# Altium PCB 一体板.PcbDoc (part 1 of 3) (continued)
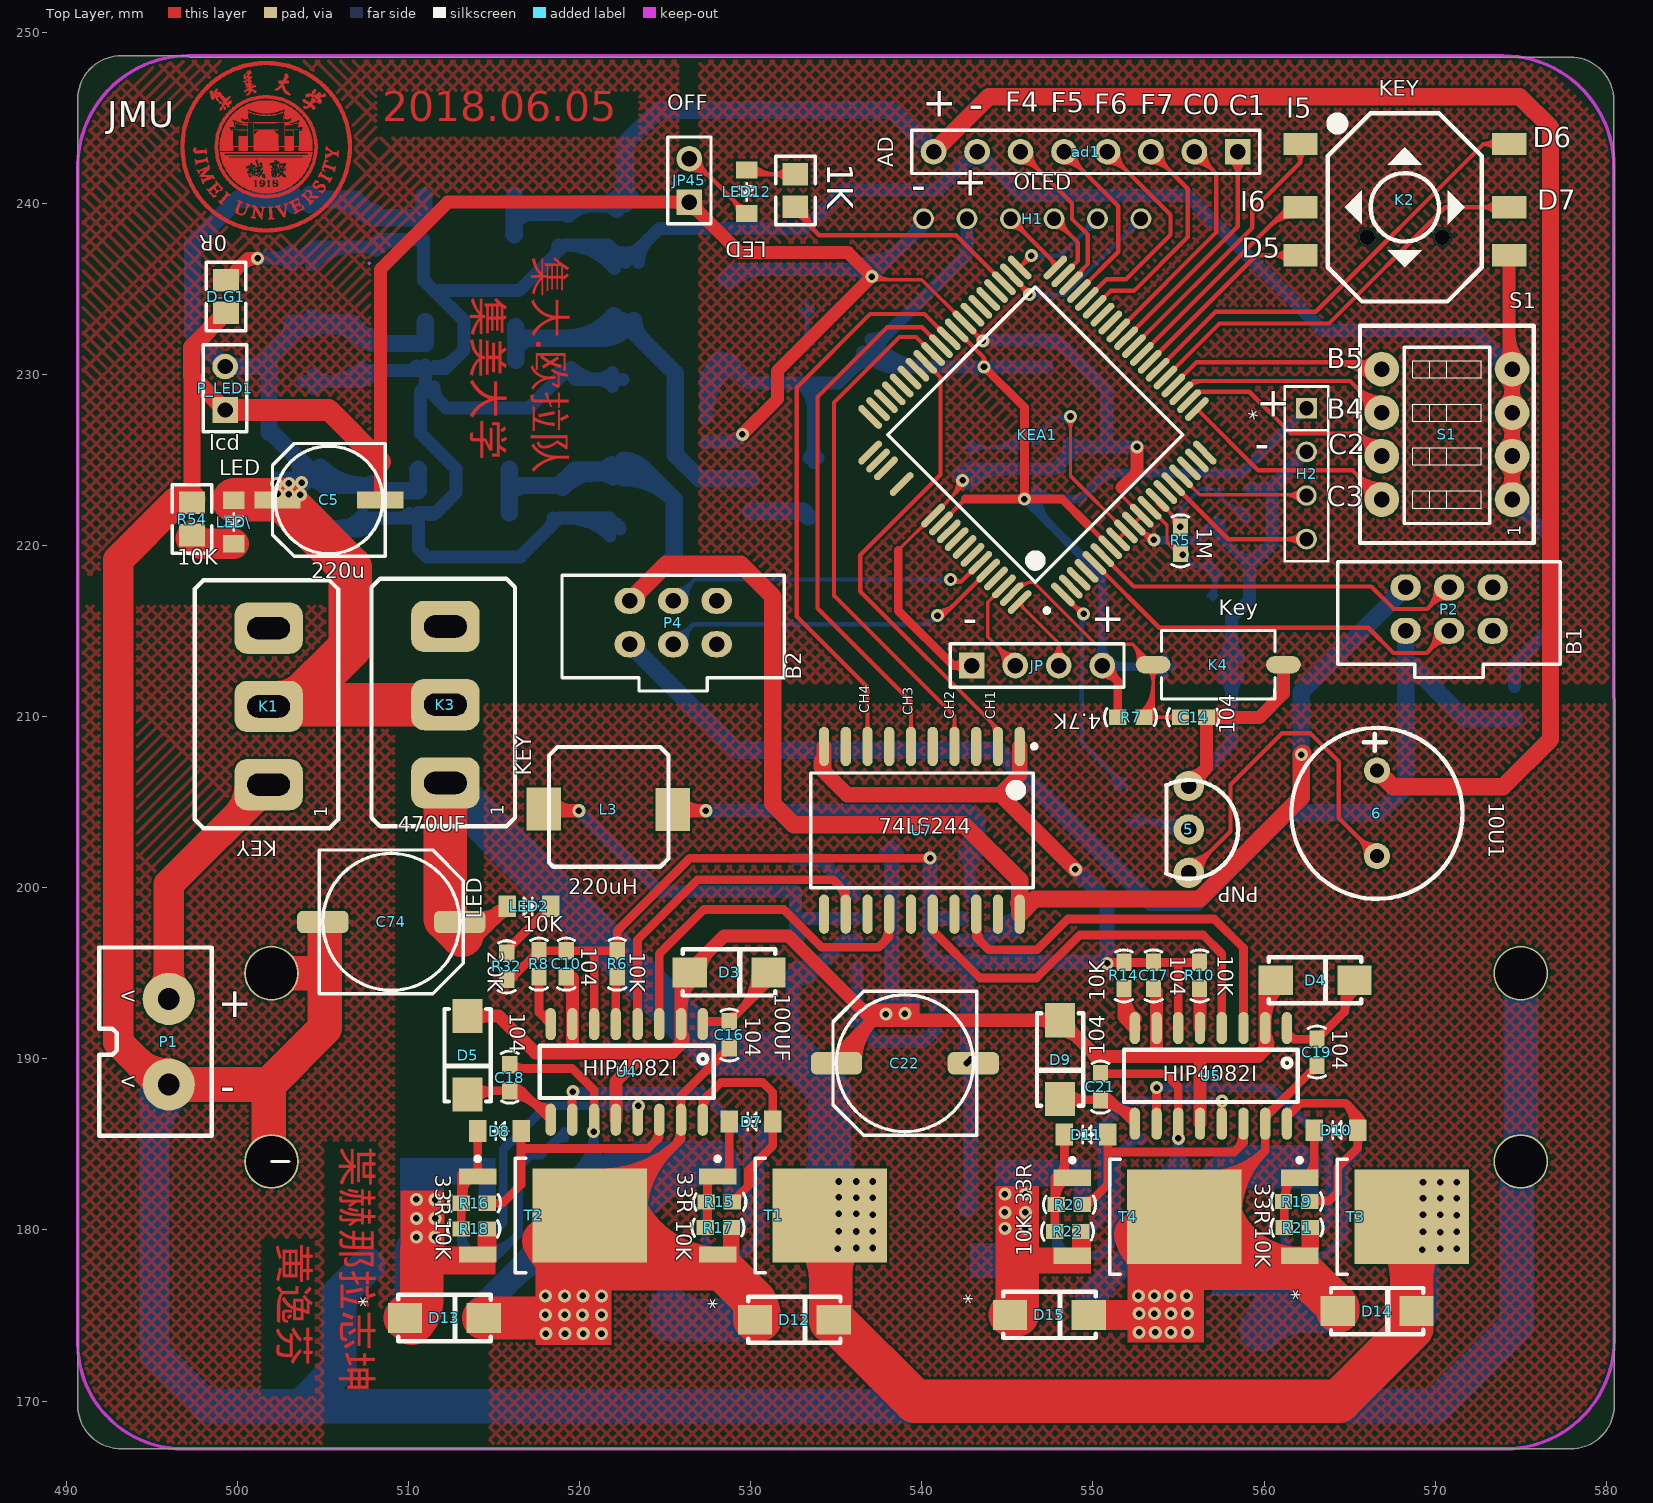
[diagram p0: Top Layer view]
## Footprints (in the part's own frame and the unit in brackets; to place one, negate y for a bottom-side part, rotate by r counter-clockwise, add the part's x,y. Pads: shape width x height; smd on the part's side, far side on the other; paste and mask are expansions set on the pad)
74LS244D [mm]
  oval 2.3x0.6 smd: 1(-4.9,5.715) 2(-4.9,4.445) 3(-4.9,3.175) 4(-4.9,1.905) 5(-4.9,0.635) 6(-4.9,-0.635) 7(-4.9,-1.905) 8(-4.9,-3.175) 9(-4.9,-4.445) 10(-4.9,-5.715) 11(4.9,-5.715) 12(4.9,-4.445) 13(4.9,-3.175) 14(4.9,-1.905) 15(4.9,-0.635) 16(4.9,0.635) 17(4.9,1.905) 18(4.9,3.175) 19(4.9,4.445) 20(4.9,5.715)
  silkscreen extent -5.02,-6.5 3.35,6.69, body extent -3.8,-6.5 3.8,6.5, height 2.65
0603 [mil]
  rect 40x35 smd: 1(-30,0) 2(30,0)
  silkscreen extent -59,-20 61,20, body extent -33,-16 33,16, height 22
0603-r [mil]
  rect 40x35 smd: 1(-30,0) 2(30,0)
  silkscreen extent -59,-20 61,20, body extent -33,-16 33,16, height 22
0805#1 [mm]
  rect 1.3x1.5 smd: 1(-0.95,0) 2(0.95,0)
  silkscreen extent -2,-1.15 2,1.15, body extent -1,-0.63 1,0.63, height 0.55
0805#2 [mm]
  rect 1.3x1.5 smd: 1(-0.95,-0.127) 2(0.95,-0.127)
  silkscreen extent -2,-1.28 2,1.02, body extent -1,-0.76 1,0.5, height 0.55
0805-0C [mil]
  rect 35x35 smd: 1(0,0) 2(85,0)
  silkscreen extent -28,-30 113,30, body extent 3,-25 82,25, height 30
1206C [mil]
  rect 59.06x70 smd: 1(-1,0) 2(117.11,0)
  silkscreen extent -53,-42 159,42, body extent -5,-32 121,31, height 37
Buzzer [mil]
  round 60 hole 32 mask+0: 1(-98.43,0) 2(98.43,0)
  silkscreen extent -197,-197 197,197, body extent -240,-236 233,236, height 354
ED6.3 [mm]
  rect 2.7x1 smd: 1(-3,0) 2(3,0)
  silkscreen extent -3.3,-3.3 3.3,3.3, body extent -3.5,-3.3 3.5,3.3, height 5.2
ED8 [mm]
  rrect50% 3x1.3 smd: 1(-4,0) 2(4,0)
  silkscreen extent -4.2,-4.2 4.2,4.2, body extent -4.52,-4.22 4.48,4.08, height 10.5
HDR1X2 [mm] "Connector; H"
  rect 1.5x1.5 hole 0.9: 1(0,0)
  round 1.5 hole 0.9: 2(2.54,0)
  silkscreen extent -1.27,-1.27 3.81,1.27
HDR1X4 [mm] "Connector; H"
  rect 1.5x1.5 hole 0.9: 1(0,0)
  round 1.5 hole 0.9: 2(2.54,0) 3(5.08,0) 4(7.62,0)
  silkscreen extent -1.27,-1.27 8.89,1.27
HDR1X8 [mm] "Connector; H"
  rect 1.5x1.5 hole 0.9: 1(0,0)
  round 1.5 hole 0.9: 2(2.54,0) 3(5.08,0) 4(7.62,0) 5(10.16,0) 6(12.7,0) 7(15.24,0) 8(17.78,0)
  silkscreen extent -1.27,-1.27 19.05,1.27
HIP4082I [mil]
  oval 74x24 smd: 1(-110,175) 2(-110,125) 3(-110,75) 4(-110,25) 5(-110,-25) 6(-110,-75) 7(-110,-125) 8(-110,-175) 9(110,-175) 10(110,-125) 11(110,-75) 12(110,-25) 13(110,25) 14(110,75) 15(110,125) 16(110,175)
  silkscreen extent -60,-200 60,200, body extent -115,-192 113,194, height 69
IRLR7843(MOS) [mm]
  rect 2.2x0.95 smd: 1(-3.275,2.28) 3(-3.275,-2.28)
  rect 6.7x5.5 smd: 2(3.275,0)
  silkscreen extent -3.4,-3.35 -0.48,3.43, body extent -3.77,-3.27 6.16,3.27, height 2.39
JMU_logo（2） [mm]
  round 10.16 on Top Solder: 0(0,0)
  Top Layer region: 0.463,-1.301 0.437,-1.301 0.437,-1.275 0.463,-1.275
  Top Layer region: 0.945,-1.148 0.92,-1.148 0.92,-1.174 0.869,-1.174 0.869,-1.098 0.945,-1.098
  Top Layer region: -0.833,-1.631 -0.858,-1.631 -0.858,-1.656 -0.934,-1.656 -0.934,-1.606 -0.884,-1.606 -0.884,-1.58 -0.833,-1.58
  Top Layer region: -0.579,-1.301 -0.553,-1.301 -0.553,-1.326 -0.528,-1.326 -0.528,-1.352 -0.553,-1.352 -0.553,-1.377 -0.579,-1.377 -0.579,-1.402 -0.604,-1.402 -0.604,-1.275 -0.579,-1.275
  Top Layer region: -0.503,-1.555 -0.528,-1.555 -0.528,-1.58 -0.553,-1.58 -0.553,-1.606 -0.604,-1.606 -0.604,-1.58 -0.63,-1.58 -0.63,-1.529 -0.553,-1.529 -0.553,-1.504 -0.503,-1.504
  Top Layer region: -2.382,2.331 -2.331,2.331 -2.331,2.204 -2.357,2.204 -2.357,2.179 -2.408,2.179 -2.408,2.204 -2.433,2.204 -2.433,2.23 -2.458,2.23 -2.458,2.357 -2.382,2.357
  Top Layer region: -2.027,2.636 -2.001,2.636 -2.001,2.611 -2.027,2.611 -2.027,2.56 -2.052,2.56 -2.052,2.535 -2.103,2.535 -2.103,2.509 -2.128,2.509 -2.128,2.484 -2.179,2.484 -2.179,2.509 -2.154,2.509 -2.154,2.56 -2.179,2.56 -2.179,2.535 -2.23,2.535 -2.23,2.585 -2.204,2.585 -2.204,2.611 -2.179,2.611 -2.179,2.636 -2.154,2.636 -2.154,2.662 -2.103,2.662 -2.103,2.687 -2.027,2.687
  Top Layer region: -0.782,3.347 -0.706,3.347 -0.706,3.322 -0.63,3.322 -0.63,3.297 -0.579,3.297 -0.579,3.271 -0.553,3.271 -0.553,3.195 -0.579,3.195 -0.579,3.17 -0.68,3.17 -0.68,3.195 -0.706,3.195 -0.706,3.246 -0.757,3.246 -0.757,3.271 -0.807,3.271 -0.807,3.297 -0.833,3.297 -0.833,3.347 -0.807,3.347 -0.807,3.373 -0.782,3.373
  Top Layer region: 2.926,3.322 2.952,3.322 2.952,3.271 2.926,3.271 2.926,3.246 2.901,3.246 2.901,3.22 2.876,3.22 2.876,3.17 2.85,3.17 2.85,3.144 2.825,3.144 2.825,3.119 2.774,3.119 2.774,3.093 2.723,3.093 2.723,3.119 2.698,3.119 2.698,3.195 2.723,3.195 2.723,3.246 2.749,3.246 2.749,3.271 2.774,3.271 2.774,3.297 2.799,3.297 2.799,3.322 2.825,3.322 2.825,3.373 2.926,3.373
  Top Layer region: 0.437,-3.536 0.361,-3.536 0.361,-3.561 0.336,-3.561 0.336,-3.765 0.361,-3.765 0.361,-4.12 0.386,-4.12 0.386,-4.171 0.488,-4.171 0.488,-4.196 0.463,-4.196 0.463,-4.222 0.132,-4.222 0.132,-4.196 0.158,-4.196 0.158,-4.171 0.234,-4.171 0.234,-3.917 0.209,-3.917 0.209,-3.561 0.158,-3.561 0.158,-3.536 0.107,-3.536 0.107,-3.485 0.437,-3.485
  Top Layer region: -2.306,-2.622 -2.281,-2.622 -2.281,-2.647 -2.255,-2.647 -2.255,-2.672 -2.23,-2.672 -2.23,-2.698 -2.204,-2.698 -2.204,-2.723 -2.154,-2.723 -2.154,-2.749 -2.128,-2.749 -2.128,-2.774 -2.103,-2.774 -2.103,-2.799 -2.077,-2.799 -2.077,-2.85 -2.128,-2.85 -2.128,-2.825 -2.204,-2.825 -2.204,-2.85 -2.23,-2.85 -2.23,-2.876 -2.255,-2.876 -2.255,-2.901 -2.281,-2.901 -2.281,-2.926 -2.306,-2.926 -2.306,-2.977 -2.331,-2.977 -2.331,-3.003 -2.357,-3.003 -2.357,-3.028 -2.382,-3.028 -2.382,-3.053 -2.408,-3.053 -2.408,-3.079 -2.433,-3.079 -2.433,-3.13 -2.458,-3.13 -2.458,-3.155 -2.484,-3.155 -2.484,-3.18 -2.509,-3.18 -2.509,-3.206 -2.535,-3.206 -2.535,-3.257 -2.56,-3.257 -2.56,-3.307 -2.535,-3.307 -2.535,-3.333 -2.509,-3.333 -2.509,-3.358 -2.535,-3.358 -2.535,-3.384 -2.56,-3.384 -2.56,-3.358 -2.585,-3.358 -2.585,-3.333 -2.611,-3.333 -2.611,-3.307 -2.636,-3.307 -2.636,-3.282 -2.687,-3.282 -2.687,-3.257 -2.712,-3.257 -2.712,-3.231 -2.738,-3.231 -2.738,-3.206 -2.763,-3.206 -2.763,-3.18 -2.789,-3.18 -2.789,-3.155 -2.712,-3.155 -2.712,-3.18 -2.662,-3.18 -2.662,-3.155 -2.636,-3.155 -2.636,-3.13 -2.611,-3.13 -2.611,-3.104 -2.585,-3.104 -2.585,-3.053 -2.56,-3.053 -2.56,-3.028 -2.535,-3.028 -2.535,-3.003 -2.509,-3.003 -2.509,-2.977 -2.484,-2.977 -2.484,-2.926 -2.458,-2.926 -2.458,-2.901 -2.433,-2.901 -2.433,-2.876 -2.408,-2.876 -2.408,-2.85 -2.382,-2.85 -2.382,-2.825 -2.357,-2.825 -2.357,-2.774 -2.331,-2.774 -2.331,-2.749 -2.306,-2.749 -2.306,-2.672 -2.331,-2.672 -2.331,-2.647 -2.357,-2.647 -2.357,-2.622 -2.331,-2.622 -2.331,-2.596 -2.306,-2.596
  Top Layer region: -3.424,-0.691 -3.398,-0.691 -3.398,-0.818 -3.373,-0.818 -3.373,-0.92 -3.424,-0.92 -3.424,-0.869 -3.449,-0.869 -3.449,-0.844 -3.576,-0.844 -3.576,-0.869 -3.703,-0.869 -3.703,-0.894 -3.83,-0.894 -3.83,-0.92 -3.957,-0.92 -3.957,-0.945 -4.033,-0.945 -4.033,-0.971 -4.059,-0.971 -4.059,-1.072 -4.084,-1.072 -4.084,-1.047 -4.109,-1.047 -4.109,-0.92 -4.135,-0.92 -4.135,-0.793 -4.16,-0.793 -4.16,-0.742 -4.135,-0.742 -4.135,-0.717 -4.109,-0.717 -4.109,-0.767 -4.084,-0.767 -4.084,-0.793 -4.059,-0.793 -4.059,-0.818 -4.033,-0.818 -4.033,-0.793 -3.881,-0.793 -3.881,-0.767 -3.779,-0.767 -3.779,-0.742 -3.627,-0.742 -3.627,-0.717 -3.525,-0.717 -3.525,-0.691 -3.474,-0.691 -3.474,-0.59 -3.424,-0.59
  Top Layer region: 3.231,-1.479 3.257,-1.479 3.257,-1.504 3.231,-1.504 3.231,-1.58 3.257,-1.58 3.257,-1.606 3.307,-1.606 3.307,-1.631 3.358,-1.631 3.358,-1.656 3.409,-1.656 3.409,-1.682 3.46,-1.682 3.46,-1.707 3.511,-1.707 3.511,-1.733 3.561,-1.733 3.561,-1.758 3.612,-1.758 3.612,-1.783 3.663,-1.783 3.663,-1.809 3.714,-1.809 3.714,-1.834 3.79,-1.834 3.79,-1.809 3.815,-1.809 3.815,-1.783 3.866,-1.783 3.866,-1.809 3.841,-1.809 3.841,-1.86 3.815,-1.86 3.815,-1.936 3.79,-1.936 3.79,-1.987 3.765,-1.987 3.765,-2.037 3.739,-2.037 3.739,-2.088 3.688,-2.088 3.688,-1.961 3.663,-1.961 3.663,-1.936 3.612,-1.936 3.612,-1.91 3.536,-1.91 3.536,-1.885 3.511,-1.885 3.511,-1.86 3.46,-1.86 3.46,-1.834 3.409,-1.834 3.409,-1.809 3.358,-1.809 3.358,-1.783 3.307,-1.783 3.307,-1.758 3.257,-1.758 3.257,-1.733 3.206,-1.733 3.206,-1.707 3.155,-1.707 3.155,-1.733 3.13,-1.733 3.13,-1.758 3.104,-1.758 3.104,-1.783 3.079,-1.783 3.079,-1.758 3.053,-1.758 3.053,-1.733 3.079,-1.733 3.079,-1.682 3.104,-1.682 3.104,-1.631 3.13,-1.631 3.13,-1.58 3.155,-1.58 3.155,-1.529 3.18,-1.529 3.18,-1.479 3.206,-1.479 3.206,-1.453 3.231,-1.453
  Top Layer region: -4.084,-0.082 -4.059,-0.082 -4.059,-0.132 -4.084,-0.132 -4.084,-0.158 -4.109,-0.158 -4.109,-0.183 -4.16,-0.183 -4.16,-0.234 -3.881,-0.234 -3.881,-0.209 -3.576,-0.209 -3.576,-0.183 -3.525,-0.183 -3.525,-0.082 -3.474,-0.082 -3.474,-0.259 -3.449,-0.259 -3.449,-0.412 -3.474,-0.412 -3.474,-0.437 -3.5,-0.437 -3.5,-0.361 -3.525,-0.361 -3.525,-0.336 -3.779,-0.336 -3.779,-0.361 -4.135,-0.361 -4.135,-0.336 -4.16,-0.336 -4.16,-0.31 -4.186,-0.31 -4.186,-0.285 -4.211,-0.285 -4.211,-0.234 -4.236,-0.234 -4.236,-0.132 -4.211,-0.132 -4.211,-0.082 -4.186,-0.082 -4.186,-0.056 -4.084,-0.056
  Top Layer region: 3.511,-0.793 3.587,-0.793 3.587,-0.818 3.638,-0.818 3.638,-0.869 3.485,-0.869 3.485,-0.92 3.46,-0.92 3.46,-0.971 3.434,-0.971 3.434,-1.021 3.46,-1.021 3.46,-1.047 3.536,-1.047 3.536,-1.072 3.612,-1.072 3.612,-1.098 3.714,-1.098 3.714,-1.123 3.79,-1.123 3.79,-1.148 3.866,-1.148 3.866,-1.174 3.942,-1.174 3.942,-1.199 4.019,-1.199 4.019,-1.174 4.044,-1.174 4.044,-1.123 4.095,-1.123 4.095,-1.199 4.069,-1.199 4.069,-1.275 4.044,-1.275 4.044,-1.377 4.019,-1.377 4.019,-1.453 3.968,-1.453 3.968,-1.352 3.942,-1.352 3.942,-1.326 3.892,-1.326 3.892,-1.301 3.815,-1.301 3.815,-1.275 3.739,-1.275 3.739,-1.25 3.663,-1.25 3.663,-1.225 3.561,-1.225 3.561,-1.199 3.485,-1.199 3.485,-1.174 3.409,-1.174 3.409,-1.148 3.384,-1.148 3.384,-1.225 3.358,-1.225 3.358,-1.326 3.384,-1.326 3.384,-1.377 3.434,-1.377 3.434,-1.402 3.46,-1.402 3.46,-1.428 3.358,-1.428 3.358,-1.402 3.282,-1.402 3.282,-1.377 3.257,-1.377 3.257,-1.326 3.282,-1.326 3.282,-1.225 3.307,-1.225 3.307,-1.148 3.333,-1.148 3.333,-1.072 3.358,-1.072 3.358,-0.996 3.384,-0.996 3.384,-0.92 3.409,-0.92 3.409,-0.818 3.434,-0.818 3.434,-0.767 3.511,-0.767
  Top Layer region: 1.275,-3.333 1.25,-3.333 1.25,-3.358 1.225,-3.358 1.225,-3.46 1.199,-3.46 1.199,-3.612 1.174,-3.612 1.174,-3.765 1.148,-3.765 1.148,-3.892 1.123,-3.892 1.123,-3.917 1.148,-3.917 1.148,-3.942 1.123,-3.942 1.123,-4.069 1.098,-4.069 1.098,-4.12 1.072,-4.12 1.072,-4.095 1.047,-4.095 1.047,-4.069 1.021,-4.069 1.021,-4.044 0.996,-4.044 0.996,-4.019 0.971,-4.019 0.971,-3.968 0.945,-3.968 0.945,-3.942 0.92,-3.942 0.92,-3.917 0.894,-3.917 0.894,-3.866 0.869,-3.866 0.869,-3.841 0.844,-3.841 0.844,-3.815 0.818,-3.815 0.818,-3.765 0.793,-3.765 0.793,-3.739 0.767,-3.739 0.767,-3.688 0.742,-3.688 0.742,-3.663 0.717,-3.663 0.717,-3.638 0.691,-3.638 0.691,-3.587 0.666,-3.587 0.666,-3.561 0.64,-3.561 0.64,-3.536 0.615,-3.536 0.615,-3.511 0.539,-3.511 0.539,-3.46 0.615,-3.46 0.615,-3.434 0.717,-3.434 0.717,-3.409 0.818,-3.409 0.818,-3.384 0.844,-3.384 0.844,-3.46 0.767,-3.46 0.767,-3.485 0.793,-3.485 0.793,-3.536 0.818,-3.536 0.818,-3.587 0.844,-3.587 0.844,-3.612 0.869,-3.612 0.869,-3.638 0.894,-3.638 0.894,-3.688 0.92,-3.688 0.92,-3.714 0.945,-3.714 0.945,-3.739 0.971,-3.739 0.971,-3.79 0.996,-3.79 0.996,-3.815 1.021,-3.815 1.021,-3.841 1.047,-3.841 1.047,-3.866 1.072,-3.866 1.072,-3.739 1.098,-3.739 1.098,-3.612 1.123,-3.612 1.123,-3.434 1.148,-3.434 1.148,-3.384 1.047,-3.384 1.047,-3.333 1.123,-3.333 1.123,-3.307 1.25,-3.307 1.25,-3.282 1.275,-3.282
  Top Layer region: 2.952,-1.987 3.003,-1.987 3.003,-2.012 3.053,-2.012 3.053,-2.037 3.104,-2.037 3.104,-2.088 2.901,-2.088 2.901,-2.114 2.876,-2.114 2.876,-2.139 2.85,-2.139 2.85,-2.164 2.825,-2.164 2.825,-2.241 2.85,-2.241 2.85,-2.266 2.876,-2.266 2.876,-2.291 3.003,-2.291 3.003,-2.266 3.053,-2.266 3.053,-2.241 3.104,-2.241 3.104,-2.215 3.18,-2.215 3.18,-2.19 3.384,-2.19 3.384,-2.215 3.409,-2.215 3.409,-2.241 3.434,-2.241 3.434,-2.266 3.46,-2.266 3.46,-2.291 3.485,-2.291 3.485,-2.495 3.46,-2.495 3.46,-2.52 3.434,-2.52 3.434,-2.571 3.409,-2.571 3.409,-2.596 3.384,-2.596 3.384,-2.622 3.333,-2.622 3.333,-2.698 3.282,-2.698 3.282,-2.672 3.231,-2.672 3.231,-2.647 3.18,-2.647 3.18,-2.622 3.104,-2.622 3.104,-2.571 3.307,-2.571 3.307,-2.545 3.358,-2.545 3.358,-2.52 3.384,-2.52 3.384,-2.495 3.409,-2.495 3.409,-2.393 3.384,-2.393 3.384,-2.342 3.307,-2.342 3.307,-2.317 3.257,-2.317 3.257,-2.342 3.18,-2.342 3.18,-2.368 3.13,-2.368 3.13,-2.393 3.079,-2.393 3.079,-2.418 2.977,-2.418 2.977,-2.444 2.926,-2.444 2.926,-2.418 2.85,-2.418 2.85,-2.393 2.825,-2.393 2.825,-2.368 2.799,-2.368 2.799,-2.342 2.774,-2.342 2.774,-2.291 2.749,-2.291 2.749,-2.19 2.774,-2.19 2.774,-2.139 2.799,-2.139 2.799,-2.088 2.825,-2.088 2.825,-2.063 2.85,-2.063 2.85,-2.037 2.901,-2.037 2.901,-1.961 2.952,-1.961
  Top Layer region: 3.561,0.02 3.587,0.02 3.587,-0.056 3.612,-0.056 3.612,-0.082 3.663,-0.082 3.663,-0.107 3.688,-0.107 3.688,-0.132 3.714,-0.132 3.714,-0.158 3.739,-0.158 3.739,-0.183 3.79,-0.183 3.79,-0.209 3.815,-0.209 3.815,-0.234 3.841,-0.234 3.841,-0.259 3.866,-0.259 3.866,-0.285 3.917,-0.285 3.917,-0.31 4.12,-0.31 4.12,-0.336 4.171,-0.336 4.171,-0.31 4.196,-0.31 4.196,-0.234 4.247,-0.234 4.247,-0.361 4.222,-0.361 4.222,-0.564 4.171,-0.564 4.171,-0.488 4.146,-0.488 4.146,-0.463 4.019,-0.463 4.019,-0.437 3.892,-0.437 3.892,-0.463 3.841,-0.463 3.841,-0.488 3.79,-0.488 3.79,-0.513 3.739,-0.513 3.739,-0.539 3.688,-0.539 3.688,-0.564 3.663,-0.564 3.663,-0.59 3.612,-0.59 3.612,-0.615 3.561,-0.615 3.561,-0.64 3.536,-0.64 3.536,-0.666 3.511,-0.666 3.511,-0.717 3.46,-0.717 3.46,-0.513 3.485,-0.513 3.485,-0.386 3.536,-0.386 3.536,-0.463 3.587,-0.463 3.587,-0.437 3.638,-0.437 3.638,-0.412 3.688,-0.412 3.688,-0.386 3.739,-0.386 3.739,-0.361 3.79,-0.361 3.79,-0.336 3.815,-0.336 3.815,-0.31 3.79,-0.31 3.79,-0.285 3.765,-0.285 3.765,-0.259 3.714,-0.259 3.714,-0.234 3.688,-0.234 3.688,-0.209 3.663,-0.209 3.663,-0.183 3.612,-0.183 3.612,-0.158 3.561,-0.158 3.561,-0.209 3.511,-0.209 3.511,-0.056 3.536,-0.056 3.536,0.045 3.561,0.045
  Top Layer region: -1.62,-3.13 -1.569,-3.13 -1.569,-3.155 -1.493,-3.155 -1.493,-3.18 -1.442,-3.18 -1.442,-3.206 -1.366,-3.206 -1.366,-3.231 -1.341,-3.231 -1.341,-3.282 -1.392,-3.282 -1.392,-3.257 -1.442,-3.257 -1.442,-3.282 -1.468,-3.282 -1.468,-3.333 -1.493,-3.333 -1.493,-3.409 -1.519,-3.409 -1.519,-3.485 -1.544,-3.485 -1.544,-3.536 -1.569,-3.536 -1.569,-3.612 -1.595,-3.612 -1.595,-3.688 -1.62,-3.688 -1.62,-3.815 -1.595,-3.815 -1.595,-3.841 -1.569,-3.841 -1.569,-3.866 -1.544,-3.866 -1.544,-3.892 -1.493,-3.892 -1.493,-3.917 -1.341,-3.917 -1.341,-3.892 -1.315,-3.892 -1.315,-3.866 -1.29,-3.866 -1.29,-3.841 -1.265,-3.841 -1.265,-3.815 -1.239,-3.815 -1.239,-3.765 -1.214,-3.765 -1.214,-3.688 -1.188,-3.688 -1.188,-3.612 -1.163,-3.612 -1.163,-3.561 -1.138,-3.561 -1.138,-3.485 -1.112,-3.485 -1.112,-3.384 -1.138,-3.384 -1.138,-3.358 -1.163,-3.358 -1.163,-3.307 -1.112,-3.307 -1.112,-3.333 -1.036,-3.333 -1.036,-3.358 -0.985,-3.358 -0.985,-3.384 -0.909,-3.384 -0.909,-3.434 -1.011,-3.434 -1.011,-3.46 -1.036,-3.46 -1.036,-3.511 -1.061,-3.511 -1.061,-3.561 -1.087,-3.561 -1.087,-3.638 -1.112,-3.638 -1.112,-3.714 -1.138,-3.714 -1.138,-3.765 -1.163,-3.765 -1.163,-3.815 -1.188,-3.815 -1.188,-3.866 -1.214,-3.866 -1.214,-3.917 -1.265,-3.917 -1.265,-3.942 -1.29,-3.942 -1.29,-3.968 -1.341,-3.968 -1.341,-3.993 -1.493,-3.993 -1.493,-3.968 -1.569,-3.968 -1.569,-3.942 -1.62,-3.942 -1.62,-3.917 -1.671,-3.917 -1.671,-3.892 -1.696,-3.892 -1.696,-3.866 -1.722,-3.866 -1.722,-3.815 -1.747,-3.815 -1.747,-3.638 -1.722,-3.638 -1.722,-3.561 -1.696,-3.561 -1.696,-3.485 -1.671,-3.485 -1.671,-3.434 -1.646,-3.434 -1.646,-3.358 -1.62,-3.358 -1.62,-3.282 -1.595,-3.282 -1.595,-3.18 -1.646,-3.18 -1.646,-3.104 -1.62,-3.104
  Top Layer region: 215 vertices and 0 holes, not listed, extent -3.449,-2.926 -2.509,-1.987
  Top Layer region: 177 vertices and 0 holes, not listed, extent 1.352,-3.892 2.241,-2.977
  Top Layer region: -0.706,-3.434 -0.579,-3.434 -0.579,-3.46 -0.553,-3.46 -0.553,-3.511 -0.528,-3.511 -0.528,-3.561 -0.503,-3.561 -0.503,-3.587 -0.477,-3.587 -0.477,-3.638 -0.452,-3.638 -0.452,-3.663 -0.426,-3.663 -0.426,-3.714 -0.401,-3.714 -0.401,-3.765 -0.376,-3.765 -0.376,-3.79 -0.35,-3.79 -0.35,-3.841 -0.325,-3.841 -0.325,-3.892 -0.299,-3.892 -0.299,-3.917 -0.274,-3.917 -0.274,-3.968 -0.249,-3.968 -0.249,-3.765 -0.223,-3.765 -0.223,-3.536 -0.299,-3.536 -0.299,-3.485 -0.122,-3.485 -0.122,-3.511 -0.02,-3.511 -0.02,-3.536 -0.045,-3.536 -0.045,-3.561 -0.122,-3.561 -0.122,-3.612 -0.147,-3.612 -0.147,-3.765 -0.172,-3.765 -0.172,-3.968 -0.198,-3.968 -0.198,-4.171 -0.223,-4.171 -0.223,-4.222 -0.274,-4.222 -0.274,-4.171 -0.299,-4.171 -0.299,-4.146 -0.325,-4.146 -0.325,-4.095 -0.35,-4.095 -0.35,-4.069 -0.376,-4.069 -0.376,-4.019 -0.401,-4.019 -0.401,-3.968 -0.426,-3.968 -0.426,-3.942 -0.452,-3.942 -0.452,-3.892 -0.477,-3.892 -0.477,-3.866 -0.503,-3.866 -0.503,-3.815 -0.528,-3.815 -0.528,-3.765 -0.553,-3.765 -0.553,-3.714 -0.579,-3.714 -0.579,-3.688 -0.604,-3.688 -0.604,-3.638 -0.63,-3.638 -0.63,-3.739 -0.655,-3.739 -0.655,-3.942 -0.68,-3.942 -0.68,-4.12 -0.604,-4.12 -0.604,-4.171 -0.807,-4.171 -0.807,-4.146 -0.884,-4.146 -0.884,-4.12 -0.858,-4.12 -0.858,-4.095 -0.782,-4.095 -0.782,-4.069 -0.757,-4.069 -0.757,-3.942 -0.731,-3.942 -0.731,-3.739 -0.706,-3.739 -0.706,-3.561 -0.68,-3.561 -0.68,-3.536 -0.706,-3.536 -0.706,-3.485 -0.757,-3.485 -0.757,-3.46 -0.782,-3.46 -0.782,-3.409 -0.706,-3.409
  Top Layer region: 139 vertices and 1 holes, not listed, extent 2.063,-3.384 3.079,-2.52
  Top Layer region: 195 vertices and 0 holes, not listed, extent -4.033,-2.139 -2.992,-1.047
  Top Layer region: 155 vertices and 0 holes, not listed, extent 0.513,3.017 1.453,4.287
  Top Layer region: 241 vertices and 4 holes, not listed, extent -1.29,3.017 -0.604,4.465
  Top Layer region: 219 vertices and 1 holes, not listed, extent -3.271,2.154 -2.077,3.398
  Top Layer region: 251 vertices and 0 holes, not listed, extent 2.164,2.204 3.511,3.195
  Top Layer region: 261 vertices and 22 holes, not listed, extent -2.662,-2.698 2.698,-0.31
  Top Layer region: 309 vertices and 19 holes, not listed, extent -2.687,-0.234 2.723,2.712
  Top Layer region: 557 vertices and 1 holes, not listed, extent -2.992,-3.003 3.028,3.017
  Top Layer region: 917 vertices and 1 holes, not listed, extent -4.973,-4.984 5.009,4.998
K_Press [mil]
  oval 80x40 smd: 1(-150,0) 2(150,0)
  silkscreen extent -130,-79 130,79, body extent -120,-72 120,74, height 98
LED(0805) [mil]
  rect 40x50 smd: 1(-50,0) 2(50,0)
  silkscreen extent -20,-20 20,20, body extent -37,-24 43,25, height 43
LQFP80 [mm]
  oval 1.8x0.4 smd: 2(-7.65,5.551) 3(-7.65,4.899) 4(-7.65,4.248) 5(-7.65,3.596) 6(-7.65,2.945) 7(-7.65,2.294) 8(-7.65,1.642) 9(-7.65,0.991) 10(-7.65,0.339) 11(-7.65,-0.312) 12(-7.65,-0.964) 13(-7.65,-1.615) 14(-7.65,-2.266) 15(-7.65,-2.918) 16(-7.65,-3.569) 17(-7.65,-4.221) 18(-7.65,-4.872) 19(-7.65,-5.524) 20(-7.65,-6.175) 41(7.65,-6.175) 42(7.65,-5.525) 43(7.65,-4.875) 44(7.65,-4.225) 45(7.65,-3.575) 46(7.65,-2.925) 47(7.65,-2.275) 48(7.65,-1.625) 49(7.65,-0.975) 50(7.65,-0.325) 51(7.65,0.325) 52(7.65,0.975) 53(7.65,1.625) 54(7.65,2.275) 55(7.65,2.925) 56(7.65,3.575) 57(7.65,4.225) 58(7.65,4.875) 59(7.65,5.525) 60(7.65,6.175)
  oval 0.4x1.8 smd: 22(-5.525,-7.65) 23(-4.875,-7.65) 24(-4.225,-7.65) 25(-3.575,-7.65) 26(-2.925,-7.65) 27(-2.275,-7.65) 28(-1.625,-7.65) 29(-0.975,-7.65) 30(-0.325,-7.65) 31(0.325,-7.65) 32(0.975,-7.65) 33(1.625,-7.65) 34(2.275,-7.65) 35(2.925,-7.65) 36(3.575,-7.65) 37(4.225,-7.65) 38(4.875,-7.65) 39(5.525,-7.65) 40(6.175,-7.65) 61(6.175,7.65) 62(5.525,7.65) 63(4.875,7.65) 65(3.575,7.65) 69(0.975,7.65) 70(0.325,7.65) 71(-0.325,7.65) 72(-0.975,7.65) 73(-1.625,7.65) 74(-2.275,7.65) 75(-2.925,7.65) 76(-3.575,7.65) 77(-4.225,7.65) 78(-4.875,7.65) 79(-5.525,7.65) 80(-6.175,7.65)
  silkscreen extent -7.77,-6.02 6.19,7
MA34063 [mil]
  oval 80x24 smd: 1(-125,70) 2(-125,20) 3(-125,-30) 4(-125,-80) 5(115,-80) 6(115,-30) 7(115,20) 8(115,70)
  silkscreen extent -80,-100 70,90, body extent -123,-101 113,92, height 61
PNP [mil]
  round 70 hole 36: 1(-100,0) 2(0,0) 3(100,0)
  silkscreen extent -114,-52 114,114, body extent -114,-60 112,105, height 407
"pol cap(10uF)" [mil]
  rect 75x90 smd: 1(67.5,0) 2(-67.5,0)
  silkscreen extent -121,-59 132,59, body extent -69,-55 69,55, height 75
POWER_PIN#1 [mil]
  rect 170x230 smd: 1(0,0)
POWER_PIN#2 [mil]
  rect 170x230 smd far side: 1(0,0)
S0P4 [mil]
  rect 48x48 hole 33: 1(0,0)
  round 48 hole 33: 2(100.39,0) 4(301.18,0)
  round 47 hole 33: 3(200.79,0)
  silkscreen extent -50,-50 352,50, body extent -59,-50 360,50, height 331
S0P6 [mil]
  round 48 hole 33: 1(0,0) 2(100,0) 3(200,0) 4(300,0) 5(400,0) 6(500,0)
  body extent -60,-50 560,50, height 331
SOIC-8 [mm]
  oval 1.75x0.6 smd: 1(-2.65,1.905) 2(-2.65,0.635) 3(-2.65,-0.635) 4(-2.65,-1.905) 5(2.65,-1.905) 6(2.65,-0.635) 7(2.65,0.635) 8(2.65,1.905)
  silkscreen extent -1.32,-2.5 1.3,2.49, body extent -3,-2.47 2.99,2.43, height 1.55
XTAL-3225 [mm]
  rect 1.2x1.5 smd: 1(-0.978,1.295) 2(-1.003,-1.321) 3(1.003,-1.321) 4(0.978,1.321)
  silkscreen extent -1.28,-1.65 1.22,1.55, body extent -1.27,-1.65 1.23,1.55, height 0.8
二极管 [mm]
  rect 2x1.75 smd: 1(-2.413,0) 2(2.187,0)
  silkscreen extent -2.81,-1.35 2.59,1.35, body extent -2.61,-1.34 2.49,1.32, height 2.12
五向按键（大） [mm]
  rect 2x1.3 smd: 1(-6.1,3.25) 2(-6.1,-0.45) 3(-6.1,-3.25) 4(6.1,3.25) 5(6.1,-0.45) 6(6.1,-3.25)
  silkscreen extent -4.5,-5.95 4.5,5.05
拨码开关*4 [mil]
  round 80 hole 36: 1(-150,150) 2(-150,50) 3(-150,-50) 4(-150,-150) 5(150,-150) 6(150,-50) 7(150,50) 8(150,150)
  silkscreen extent -200,-250 200,250, body extent -197,-220 193,220, height 276
接线端子 [mil]
  round 120 hole 50: 1(-98.43,0) 2(98.43,0)
  silkscreen extent -217,-160 217,98, body extent -197,-219 197,96, height 433
电感（220uh） [mm]
  rect 2x2.5 smd: 1(-3.81,-0.127) 2(3.734,-0.152)
  silkscreen extent -3.5,-3.5 3.48,3.5
编码器1 [mil]
  oval 70x60 hole 35.43: 1(100,50) 2(100,-50) 3(0,50) 4(0,-50) 5(-100,50) 6(-100,-50)
  silkscreen extent -256,-109 256,157
钮子开关（大） [mm]
  rrect50% 3x4 hole 1.3 slot 2.5 at 90 deg: 1(-4.572,0) 2(0,0) 3(4.572,0)
  silkscreen extent -7.11,-4.06 7.37,4.32

## Part data
ad1: library part "Header 8", "Header, 8-Pin"
C5: library part "Cap Pol3"
JP: library part "Header 4", "Header, 4-Pin"
JP45 P_LED1: library part "Header 2", "Header, 2-Pin"
L1 L2: library part Induct

## Free pads (board coordinates)
  round 3.2 hole 3: 0(575,184) 2(575,195) 4(502,184) 6(502,195)

## Via types
v1: diameter 0.762, hole 0.381, Top Layer to Bottom Layer, 106 vias
v2: diameter 0.9, hole 0.9, Top Layer to Bottom Layer, 2 vias

## Nets (pads, with @x,y where several pads share a name; then routed paths per layer and width w, separated by ;. In a path a pad name is that pad's centre, name@x,y a point inside that pad or via, vN(x,y) a via of type N, cw(c..) or ccw(c..) an arc to the next point about the centre after c; other vN are vias at no path point)
5V: 13.1 14.1 F1.2 U3.5 U3.6 U3.7 | length 30
  Bottom Layer w1.016: U3.6@516.263,231.826 516.264,231.8 U3.7@516.283,230.811 ; U3.5@516.263,232.791 516.263,232.115 14.1@519.227,232.115 ; U3.6@516.717,231.947 cw(c517.122,231.542) 517.122,232.115 ; 521.388,232.115 ccw(c521.388,233.921) 13.1@522.778,232.769 ; 13.1@521.894,233.112 cw(c520.579,233.046) 521.51,232.115 ; 13.1@521.996,233.417 cw(c519.227,235.711) 14.1@519.227,232.115 ; 13.1@523.164,233.134 ccw(c524.697,233.134) 523.613,232.05 ; F1.2@529.996,223.886 527.014,223.886 525.602,225.298 525.602,230.06 13.1@522.529,233.134 521.51,232.115 ; 14.1@519.227,232.115 521.51,232.115
7.2V: 1.1 2.1 7.1 8.1 11.1 12.1 C5.1 K1.2 K3.2 LED\.1 P_LED1.2 U1.3 U1.4 U2.3 U2.4 U3.3 U3.4 | length 108.2
  Top Layer w2.54: LED\.1@499.796,222.631 499.821,222.656 C5.1@502.358,222.656 502.663,222.656 506.603,218.717 506.603,214.071 K1.2@503.225,210.693 ; K1.2@501.828,210.591 503.123,210.591 K1.2@503.225,210.693 ; K1.2@502.328,210.821 ccw(c502.328,213.297) 504.078,211.546 ; K3.2@512.166,210.693 K1.2@503.225,210.693
  Bottom Layer w1.016: 501.967,231.115 11.1@503.86,233.007 506.651,233.007 12.1@507.543,232.115 507.858,231.8 U3.3@510.989,231.8 U3.4@510.989,233.07 ; 502.776,231.923 ccw(c501.692,233.007) 11.1@503.225,233.007 ; 503.14,225.472 cw(c501.34,223.672) 7.1@503.885,223.672 ; 1.1@503.253,239.906 ccw(c502.495,239.147) 502.495,240.22 ccw(c502.495,241.294) 1.1@503.253,240.535 ; 503.258,225.353 cw(c502.174,224.269) 7.1@503.707,224.269 ; 7.1@503.71,223.79 cw(c504.188,222.613) 7.1@504.982,223.605 ; 7.1@504.215,224.218 504.268,224.176 505.107,223.505 8.1@507.644,223.505 507.959,223.19 U2.3@510.582,223.19 U2.4@510.582,224.46 ; 1.1@504.263,239.906 cw(c505.022,239.147) 505.022,240.22 cw(c505.022,241.294) 1.1@504.263,240.535 ; 11.1@504.273,232.622 cw(c505.206,231.006) 505.689,232.808 ; 7.1@504.342,224.269 501.993,226.619 501.853,226.619 501.853,231 501.307,230.454 P_LED1.2@499.288,230.454 497.383,232.359 497.383,237.592 500.012,240.22 1.1@503.758,240.22 506.931,240.22 2.1@507.822,239.329 508.01,239.141 U1.3@510.887,239.141 U1.4@510.887,240.411 ; 11.1@504.365,232.693 cw(c505.123,231.934) 505.123,233.007 cw(c505.123,234.08) 11.1@504.365,233.321 ; 7.1@504.847,224.584 ccw(c507.452,227.188) 8.1@507.452,223.505 ; 11.1@504.948,233.007 cw(c504.948,229.62) 12.1@507.342,232.015 ; 505.227,240.22 cw(c505.227,236.834) 2.1@507.622,239.229 ; 12.1@507.743,232.216 ccw(c508.746,233.219) 508.746,231.8 ; 8.1@507.845,223.605 ccw(c508.848,224.608) 508.848,223.19 ; 2.1@508.023,239.429 ccw(c508.719,240.126) 508.719,239.141
  other v1: 503.682,222.961 502.996,222.987 502.361,223.012 502.285,223.622 503.022,223.622 503.758,223.672
+12V: C10.2 C17.2 C22.1 D3.1 D4.1 D5.1 D6.2 D9.1 R11.1 U4.2 U4.7 U4.12 U5.2 U5.7 U5.12 | length 114.2
  Top Layer w0.762: D5.1@513.461,192.507 515.264,192.507 517.423,190.348 519.913,190.348 ; D5.1@513.81,192.157 cw(c514.654,191.314) 514.654,192.507 cw(c514.654,193.699) D5.1@513.81,192.856 ; C10.2@519.182,194.684 cw(c518.215,193.717) 519.582,193.717 ; C10.2@519.582,194.716 U4.7@519.582,192.024 519.582,190.678 519.913,190.348 ; U4.12@522.122,186.436 522.122,188.671 523.799,190.348 ; 525.703,190.652 ccw(c524.966,191.389) U4.2@526.009,191.389 ; U4.2@525.932,192.929 cw(c528.433,192.929) D3.1@526.665,194.697 ; D3.1@525.932,194.539 U4.2@525.932,192.024 525.932,190.881 ; U4.2@525.997,191.429 cw(c525.617,191.196) 525.932,190.881 ; D3.1@526.44,195.047 526.44,195.174 528.447,197.18 532.206,197.18 537.134,192.253 ; D3.1@527.059,195.047 cw(c528.86,195.047) 527.587,196.32 ; C22.1@535.013,189.738 535.013,190.132 537.134,192.253 ; C22.1@535.371,189.725 cw(c537.106,189.77) 535.878,190.997 ; C22.1@536.132,189.745 cw(c539.554,189.832) 537.134,192.252 ; 538.094,192.253 ccw(c538.094,193.553) v1(539.013,192.634) ccw(c539.933,193.553) 539.933,192.253 ; 538.754,192.253 cw(c538.754,193.467) v1(537.896,192.608) cw(c537.134,193.247) 537.134,192.253 ; D9.1@547.732,191.903 ccw(c546.889,191.06) 546.889,192.253 ccw(c546.889,193.445) D9.1@547.732,192.602 ; D9.1@548.081,191.634 cw(c548.081,190.139) 549.138,191.196 ; D9.1@548.575,192.128 ccw(c549.466,192.128) D9.1@548.836,191.498 ; 550.012,190.322 D9.1@548.081,192.253 537.134,192.253 ; 550.113,190.144 553.72,190.144 ; C17.2@553.497,193.998 cw(c552.96,193.461) 553.72,193.461 ; C17.2@553.72,193.929 U5.7@553.72,191.795 553.72,190.144 ; U5.12@556.26,186.207 556.26,190.144 ; 559.769,190.25 ccw(c558.858,191.16) U5.2@560.146,191.16 ; U5.2@560.07,192.227 cw(c562.917,192.227) D4.1@560.904,194.24 ; D4.1@560.121,194.564 560.07,194.513 U5.2@560.07,191.795 560.07,190.551 ; U5.2@560.133,191.203 cw(c559.706,190.915) 560.07,190.551 ; 519.913,190.348 523.799,190.348 ; 523.799,190.348 525.399,190.348 525.932,190.881 ; 553.72,190.144 556.26,190.144 ; 556.26,190.144 559.664,190.144 560.07,190.551
  Bottom Layer w0.889: D6.2@537.919,202.007 cw(c537.184,201.272) 538.223,201.272 cw(c539.263,201.272) D6.2@538.528,202.007 ; R11.1@537.964,193.616 ccw(c537.337,194.242) 538.223,194.242 ; R11.1@538.223,193.484 D6.2@538.223,202.311
A_0: K2.1 KEA1.30 | length 17.4
  Top Layer w0.254: KEA1.30@552.4,231.646 559.308,238.554 559.308,239.573 562.123,242.388 ; K2.1@561.802,243.045 cw(c561.291,242.388) 562.123,242.388 ; K2.1@562.123,243.458 562.123,242.388 ; K2.1@562.445,243.045 ccw(c562.956,242.388) 562.123,242.388
A_1: K2.2 KEA1.29 | length 16.6
  Top Layer w0.254: KEA1.29@552.859,231.186 561.431,239.758 K2.2@562.123,239.758 ; 560.296,238.623 cw(c561.773,237.145) K2.2@561.773,239.235 ; 560.729,239.056 cw(c561.773,238.012) K2.2@561.773,239.489 ; 561.123,239.45 ccw(c560.815,239.758) K2.2@561.25,239.758 ; K2.2@561.163,239.49 cw(c561.773,238.879) K2.2@561.773,239.743
A_2: K2.3 KEA1.28 | length 13.4
  Top Layer w0.254: KEA1.28@553.319,230.727 559.55,236.958 K2.3@562.123,236.958 ; K2.3@561.404,236.588 ccw(c560.511,235.695) 560.511,236.958 ccw(c560.511,238.22) K2.3@561.404,237.328
A_3: K2.4 KEA1.27 | length 27.7
  Top Layer w0.254: KEA1.27@553.778,230.267 557.166,233.655 563.016,233.655 572.82,243.458 ; K2.4@573.58,243.113 ccw(c572.82,242.447) 572.82,243.458 ; K2.4@573.58,243.803 cw(c572.82,244.469) 572.82,243.458 ; K2.4@574.323,243.458 572.82,243.458
A_4: K2.5 KEA1.26 | length 26.2
  Top Layer w0.254: KEA1.26@554.238,229.807 557.399,232.969 563.804,232.969 570.593,239.758 K2.5@574.323,239.758 ; K2.5@573.604,239.388 ccw(c572.711,238.495) 572.711,239.758 ccw(c572.711,241.02) K2.5@573.604,240.128
ADC0_SE8: ad1.2 KEA1.32 | length 17.1
  Top Layer w0.254: KEA1.32@551.48,232.565 557.2,238.285 557.2,241.732 ad1.2@555.93,243.002 ; ad1.2@555.93,242.379 cw(c555.93,240.875) 556.993,241.938 cw(c558.057,243.002) ad1.2@556.553,243.002 ; ad1.2@555.93,242.633 cw(c555.93,241.742) 556.56,242.372 cw(c557.19,243.002) ad1.2@556.299,243.002
ADC0_SE9: ad1.1 KEA1.31 | length 17.4
  Top Layer w0.254: KEA1.31@551.94,232.106 558.47,238.635 ad1.1@558.47,243.002 ; ad1.1@558.029,242.561 cw(c556.966,241.498) 558.47,241.498 cw(c559.974,241.498) ad1.1@558.91,242.561 ; ad1.1@558.209,242.741 cw(c557.579,242.111) 558.47,242.111 cw(c559.361,242.111) ad1.1@558.731,242.741